# KiCad board miniFPGA_panel.kicad_pcb
title: Education board for miniFPGA; date: 2024-05-23; rev: v3.0
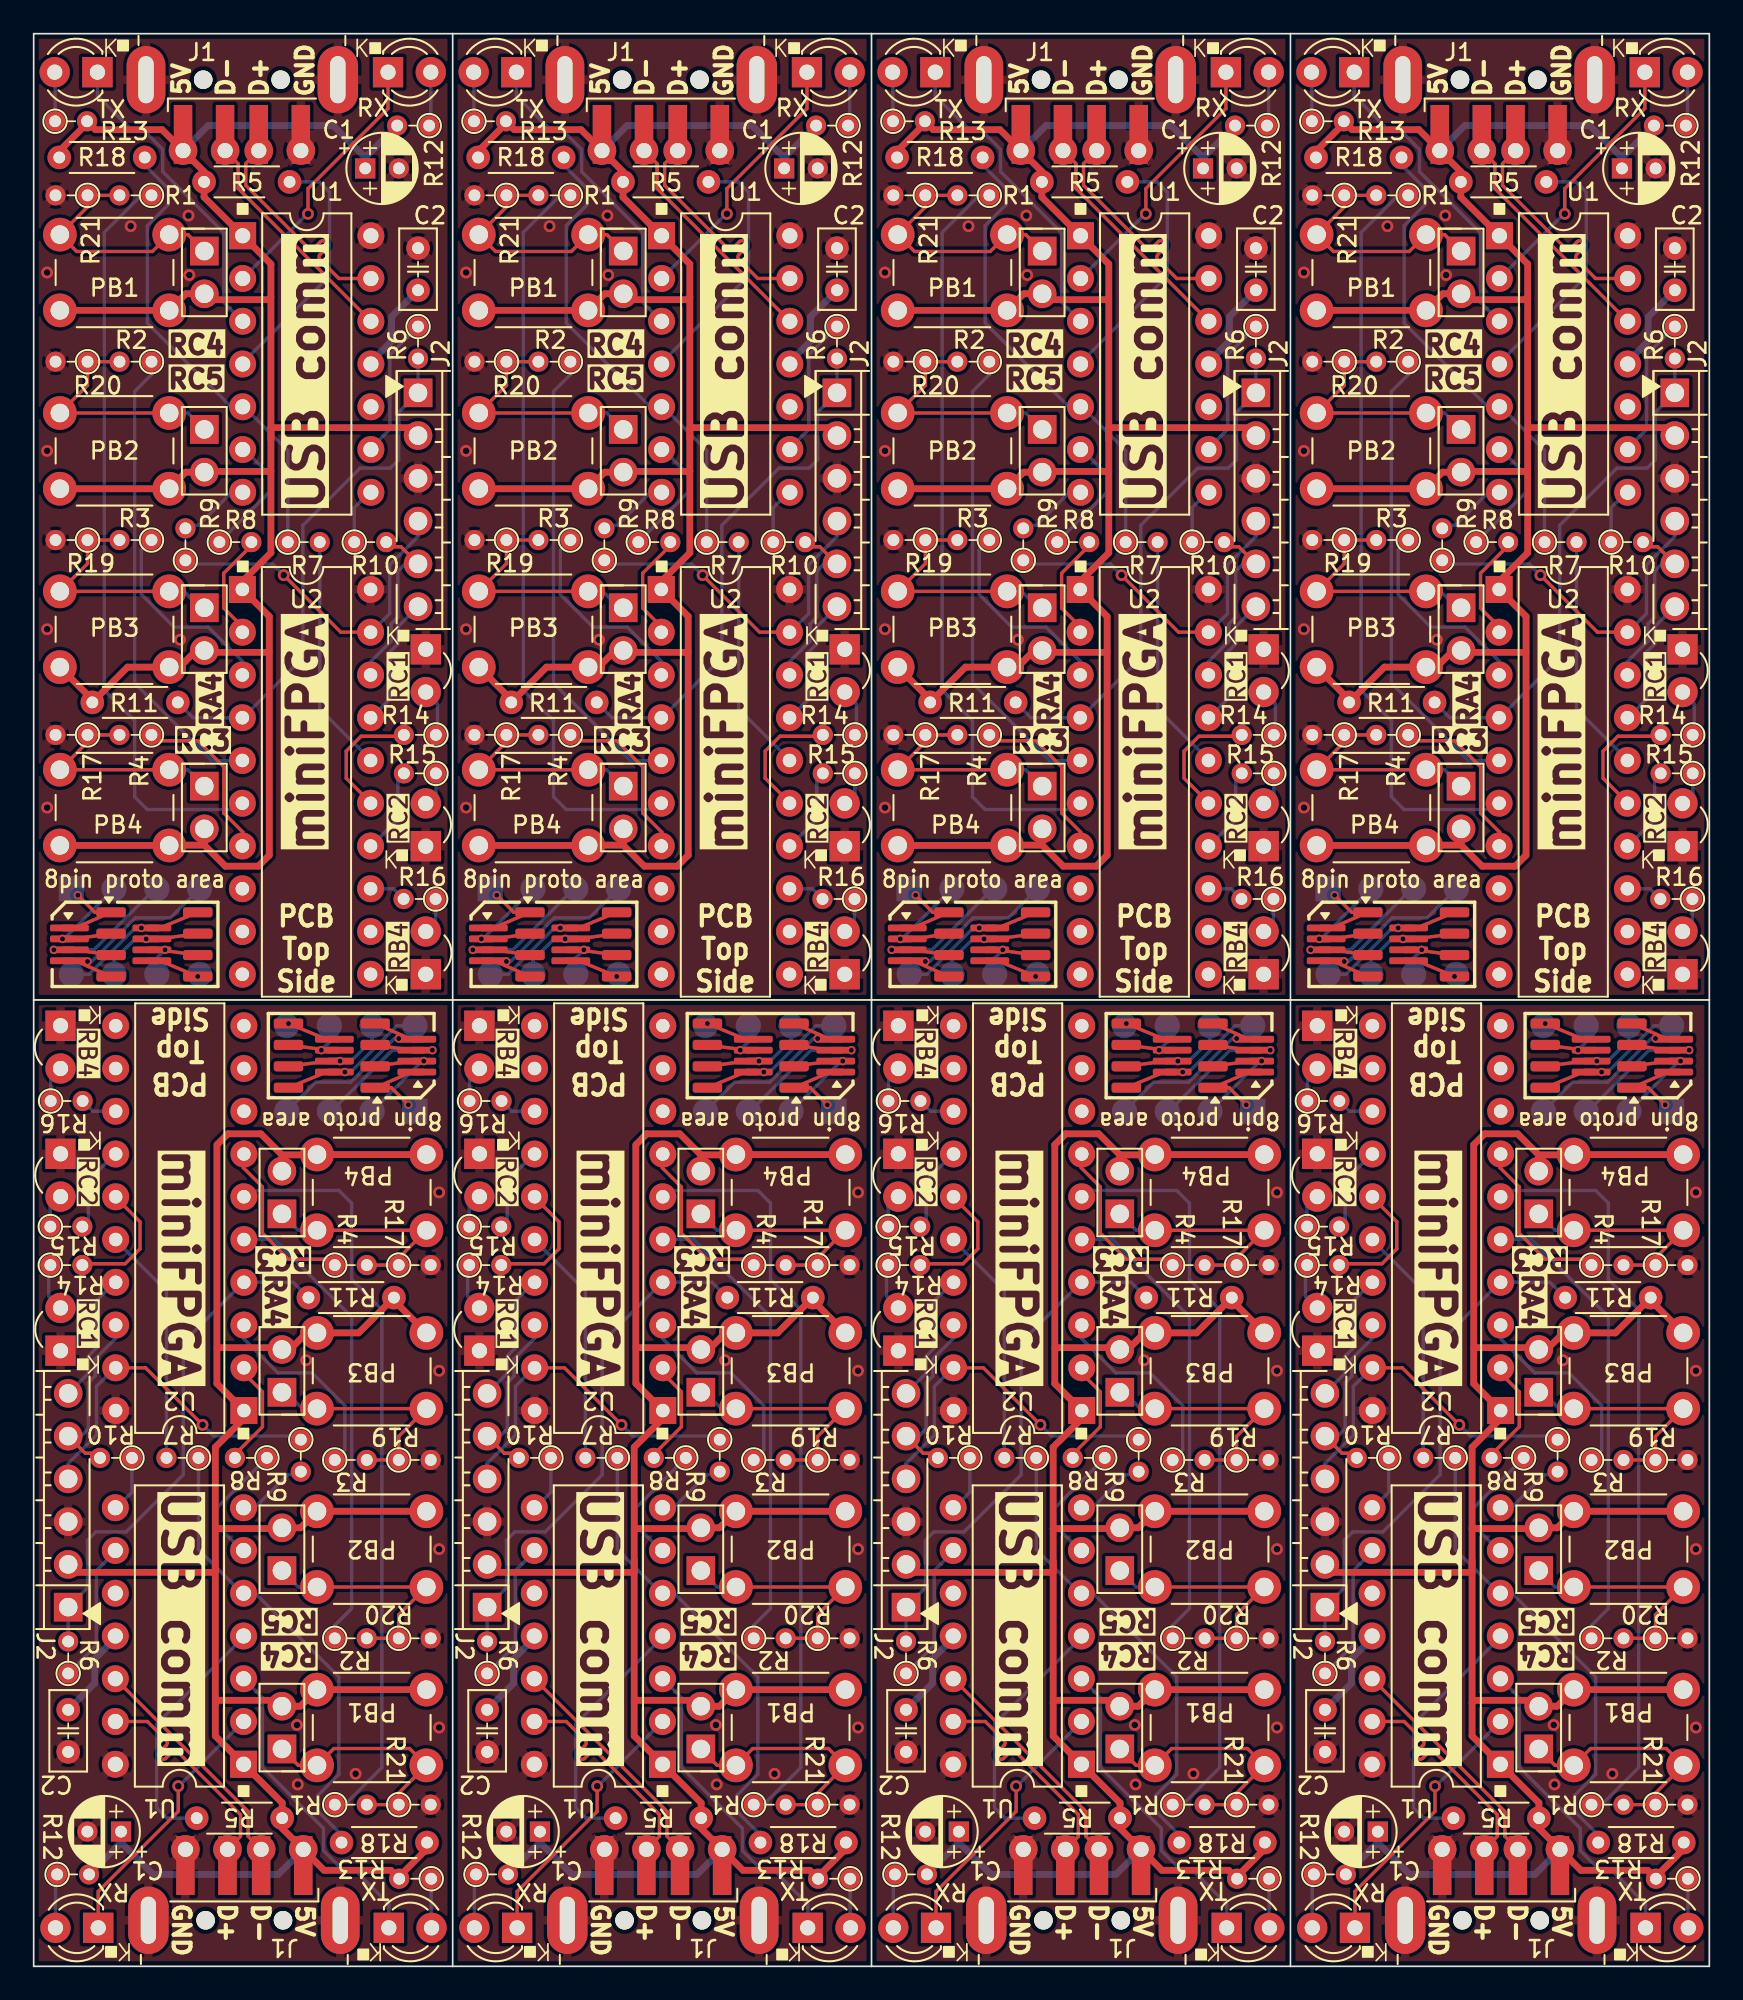
[diagram p0: board, top side]
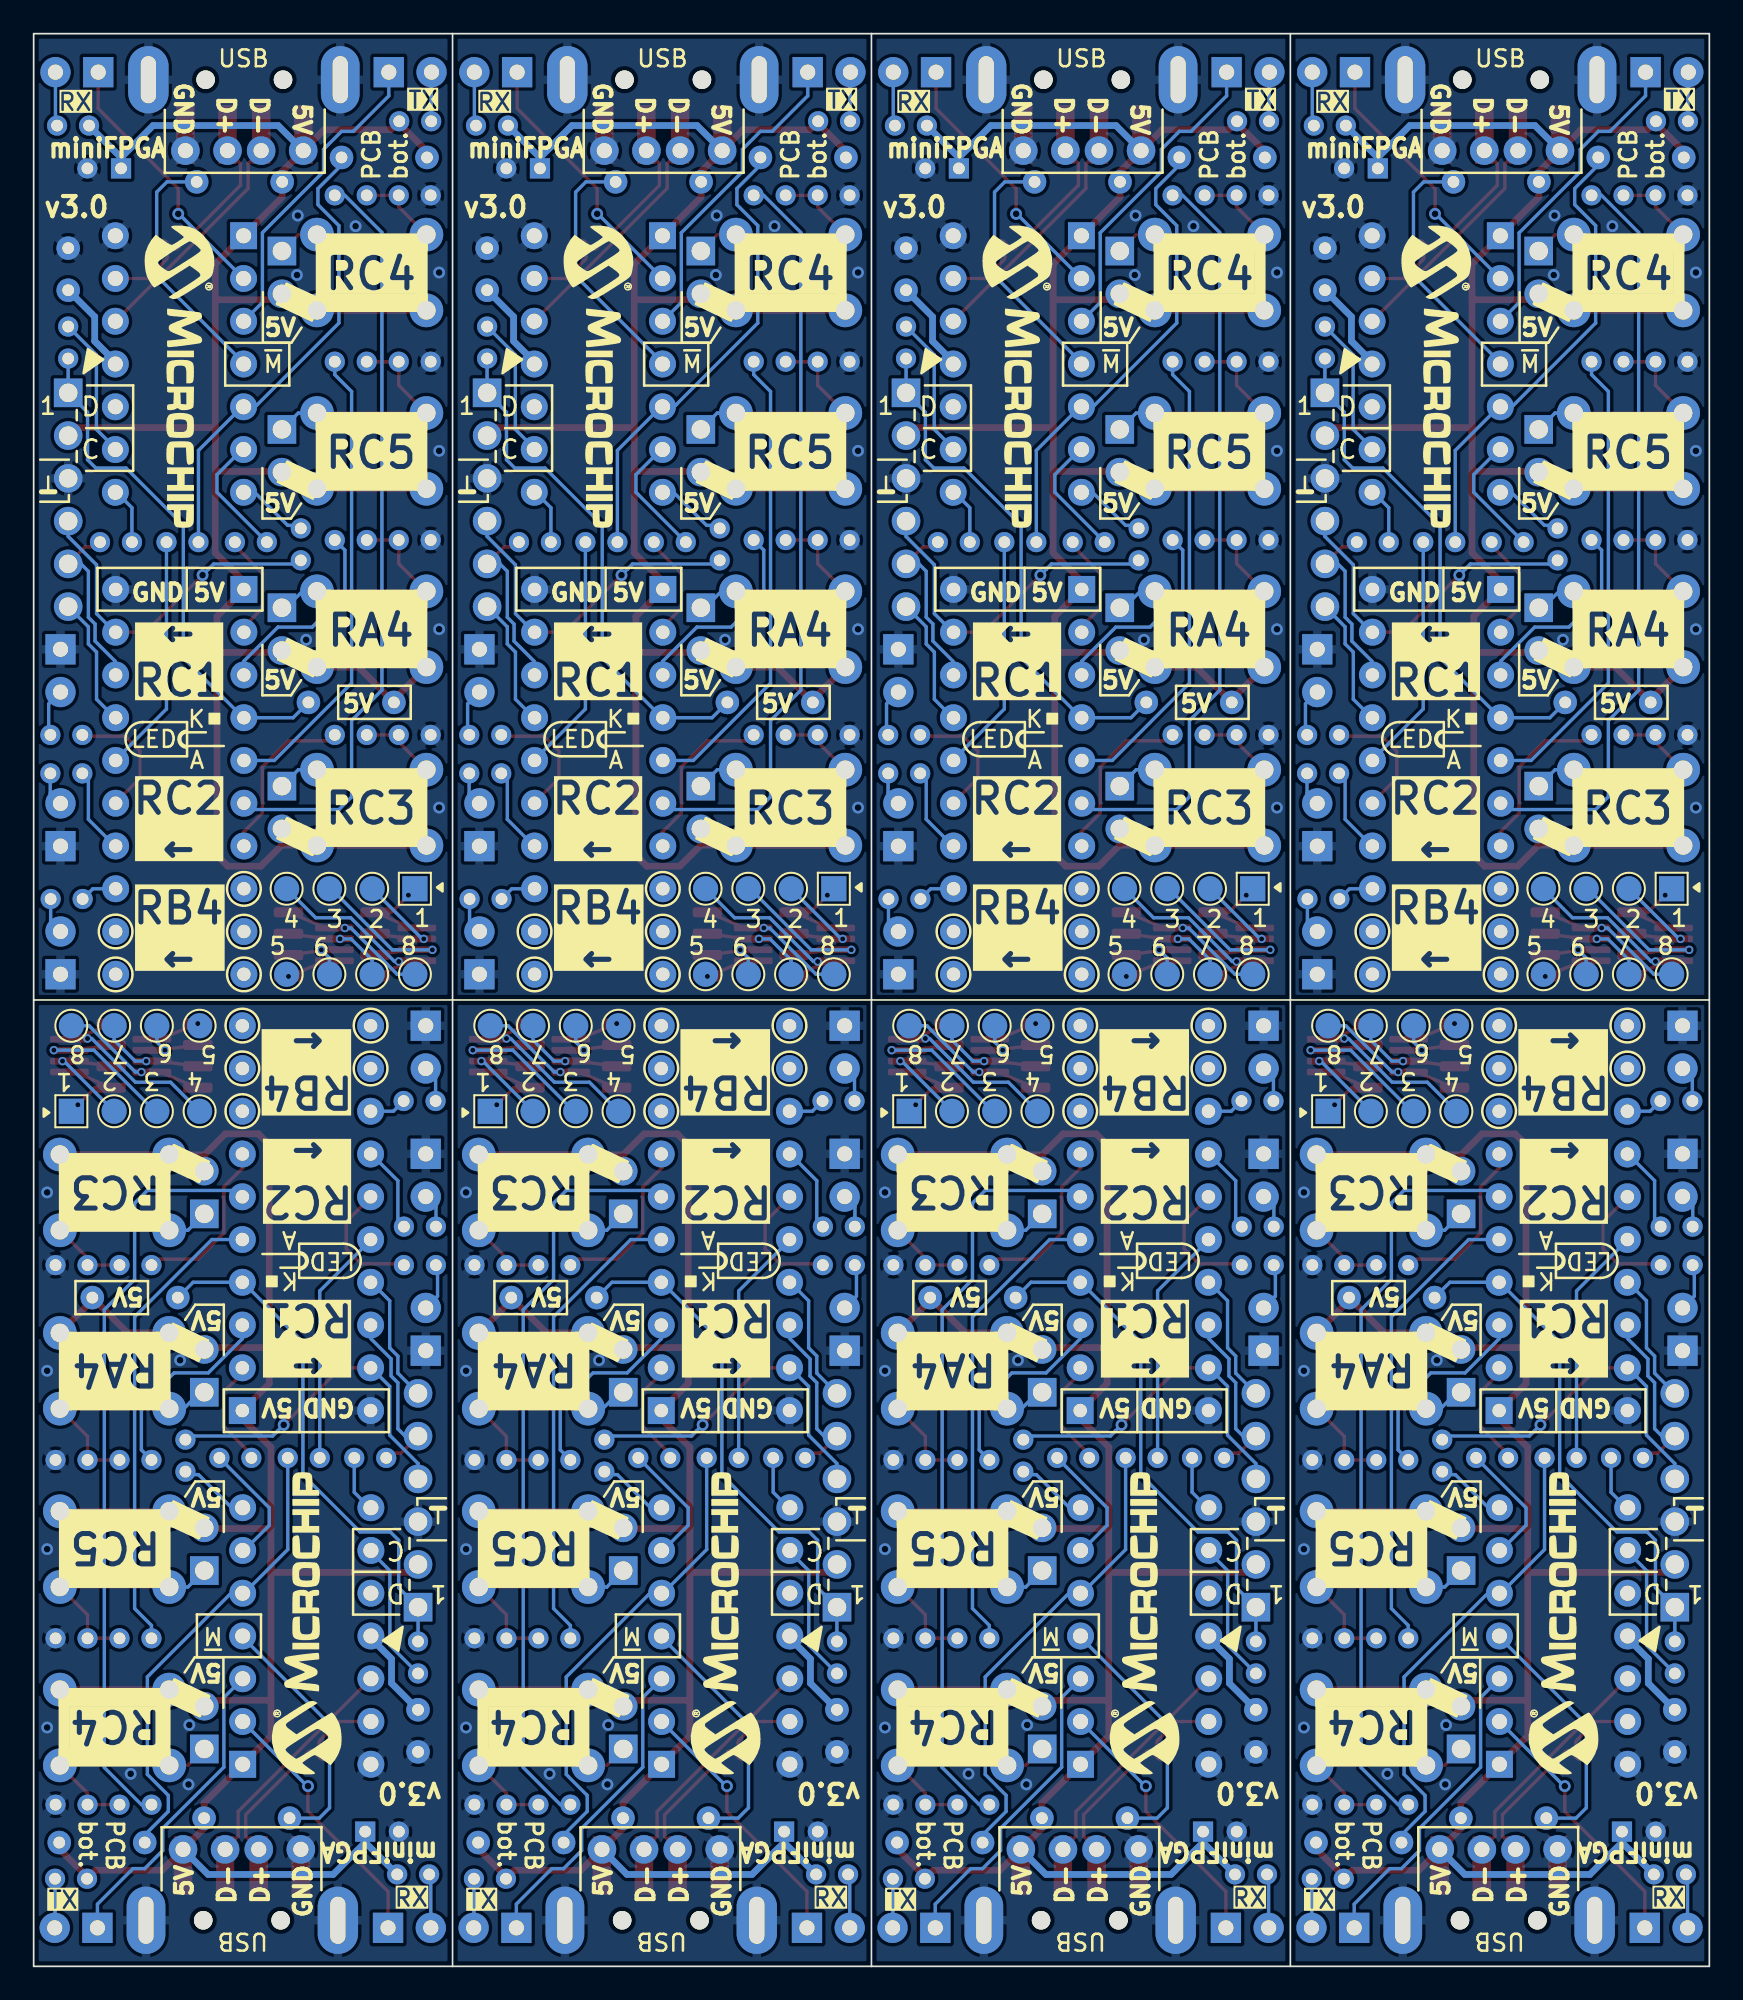
[diagram p1: board, bottom side, seen from below]

Outline 99.57 x 114.81 mm; copper layers: Top, Bottom. Coordinates in mm from the lower left corner of the outline.
Outline path: 0,57.41 99.57,57.41 ; 24.9,114.81 24.9,0 ; 74.68,0 0,0 0,114.81 74.68,114.81 ; 74.68,0 74.68,114.81 ; 74.68,0 99.57,0 99.57,114.81 74.68,114.81 ; 49.79,114.81 49.79,0
Stack: Top 0.035mm / dielectric 1.51mm FR4 er 4.5 / Bottom 0.035mm

## Placement (name value [footprint] x y rotation side)
A1  8pin proto area  [8pin_proto]  79.28 62.61 0 top
A1#2  8pin proto area  [8pin_proto]  4.6 62.61 0 top
A1#3  8pin proto area  [8pin_proto]  20.29 52.19 180 top
A1#4  8pin proto area  [8pin_proto]  94.97 52.19 180 top
A1#5  8pin proto area  [8pin_proto]  29.49 62.61 0 top
A1#6  8pin proto area  [8pin_proto]  45.18 52.19 180 top
A1#7  8pin proto area  [8pin_proto]  70.08 52.19 180 top
A1#8  8pin proto area  [8pin_proto]  54.38 62.61 0 top
C1  4µ7F  [CP_Radial_D4.0mm_P2.00mm]  30.08 8 180 top
C1#2  4µ7F  [CP_Radial_D4.0mm_P2.00mm]  44.59 106.8 0 top
C1#3  4µ7F  [CP_Radial_D4.0mm_P2.00mm]  5.19 8 180 top
C1#4  4µ7F  [CP_Radial_D4.0mm_P2.00mm]  79.87 8 180 top
C1#5  4µ7F  [CP_Radial_D4.0mm_P2.00mm]  69.48 106.8 0 top
C1#6  4µ7F  [CP_Radial_D4.0mm_P2.00mm]  94.38 106.8 0 top
C1#7  4µ7F  [CP_Radial_D4.0mm_P2.00mm]  54.98 8 180 top
C1#8  4µ7F  [CP_Radial_D4.0mm_P2.00mm]  19.7 106.8 0 top
C2  470nF  [C_Rect_L4.6mm_W2.0mm_P2.50mm_MKS02_FKP02]  47.73 99.57 90 top
C2#2  470nF  [C_Rect_L4.6mm_W2.0mm_P2.50mm_MKS02_FKP02]  2.05 15.24 270 top
C2#3  470nF  [C_Rect_L4.6mm_W2.0mm_P2.50mm_MKS02_FKP02]  97.52 99.57 90 top
C2#4  470nF  [C_Rect_L4.6mm_W2.0mm_P2.50mm_MKS02_FKP02]  72.62 99.57 90 top
C2#5  470nF  [C_Rect_L4.6mm_W2.0mm_P2.50mm_MKS02_FKP02]  26.94 15.24 270 top
C2#6  470nF  [C_Rect_L4.6mm_W2.0mm_P2.50mm_MKS02_FKP02]  76.73 15.24 270 top
C2#7  470nF  [C_Rect_L4.6mm_W2.0mm_P2.50mm_MKS02_FKP02]  22.84 99.57 90 top
C2#8  470nF  [C_Rect_L4.6mm_W2.0mm_P2.50mm_MKS02_FKP02]  51.84 15.24 270 top
J1  USB_B  [USB_A_CNCTech_1001-011-01101_Horizontal]  37.41 -0.16 270 top
J1#2  USB_B  [USB_A_CNCTech_1001-011-01101_Horizontal]  12.38 114.97 90 top
J1#3  USB_B  [USB_A_CNCTech_1001-011-01101_Horizontal]  62.3 -0.16 270 top
J1#4  USB_B  [USB_A_CNCTech_1001-011-01101_Horizontal]  62.16 114.97 90 top
J1#5  USB_B  [USB_A_CNCTech_1001-011-01101_Horizontal]  12.52 -0.16 270 top
J1#6  USB_B  [USB_A_CNCTech_1001-011-01101_Horizontal]  87.05 114.97 90 top
J1#7  USB_B  [USB_A_CNCTech_1001-011-01101_Horizontal]  87.19 -0.16 270 top
J1#8  USB_B  [USB_A_CNCTech_1001-011-01101_Horizontal]  37.27 114.97 90 top
J2  ICSP_DEBUG_miniFPGA  [PinHeader_1x06_P2.54mm_Horizontal]  76.73 21.34 180 top
J2#2  ICSP_DEBUG_miniFPGA  [PinHeader_1x06_P2.54mm_Horizontal]  72.62 93.47 0 top
J2#3  ICSP_DEBUG_miniFPGA  [PinHeader_1x06_P2.54mm_Horizontal]  51.84 21.34 180 top
J2#4  ICSP_DEBUG_miniFPGA  [PinHeader_1x06_P2.54mm_Horizontal]  26.94 21.34 180 top
J2#5  ICSP_DEBUG_miniFPGA  [PinHeader_1x06_P2.54mm_Horizontal]  47.73 93.47 0 top
J2#6  ICSP_DEBUG_miniFPGA  [PinHeader_1x06_P2.54mm_Horizontal]  22.84 93.47 0 top
J2#7  ICSP_DEBUG_miniFPGA  [PinHeader_1x06_P2.54mm_Horizontal]  97.52 93.47 0 top
J2#8  ICSP_DEBUG_miniFPGA  [PinHeader_1x06_P2.54mm_Horizontal]  2.05 21.34 180 top
JP1  RC4  [PinHeader_1x02_P2.54mm_Vertical]  64.54 12.91 180 top
JP1#2  RC4  [PinHeader_1x02_P2.54mm_Vertical]  14.75 12.91 180 top
JP1#3  RC4  [PinHeader_1x02_P2.54mm_Vertical]  89.43 12.91 180 top
JP1#4  RC4  [PinHeader_1x02_P2.54mm_Vertical]  59.92 101.9 0 top
JP1#5  RC4  [PinHeader_1x02_P2.54mm_Vertical]  84.82 101.9 0 top
JP1#6  RC4  [PinHeader_1x02_P2.54mm_Vertical]  39.64 12.91 180 top
JP1#7  RC4  [PinHeader_1x02_P2.54mm_Vertical]  35.03 101.9 0 top
JP1#8  RC4  [PinHeader_1x02_P2.54mm_Vertical]  10.14 101.9 0 top
JP2  RC5  [PinHeader_1x02_P2.54mm_Vertical]  89.43 23.51 180 top
JP2#2  RC5  [PinHeader_1x02_P2.54mm_Vertical]  84.82 91.3 0 top
JP2#3  RC5  [PinHeader_1x02_P2.54mm_Vertical]  35.03 91.3 0 top
JP2#4  RC5  [PinHeader_1x02_P2.54mm_Vertical]  59.92 91.3 0 top
JP2#5  RC5  [PinHeader_1x02_P2.54mm_Vertical]  39.64 23.51 180 top
JP2#6  RC5  [PinHeader_1x02_P2.54mm_Vertical]  10.14 91.3 0 top
JP2#7  RC5  [PinHeader_1x02_P2.54mm_Vertical]  64.54 23.51 180 top
JP2#8  RC5  [PinHeader_1x02_P2.54mm_Vertical]  14.75 23.51 180 top
JP3  RA4  [PinHeader_1x02_P2.54mm_Vertical]  39.64 34.1 180 top
JP3#2  RA4  [PinHeader_1x02_P2.54mm_Vertical]  59.92 80.7 0 top
JP3#3  RA4  [PinHeader_1x02_P2.54mm_Vertical]  89.43 34.1 180 top
JP3#4  RA4  [PinHeader_1x02_P2.54mm_Vertical]  84.82 80.7 0 top
JP3#5  RA4  [PinHeader_1x02_P2.54mm_Vertical]  14.75 34.1 180 top
JP3#6  RA4  [PinHeader_1x02_P2.54mm_Vertical]  64.54 34.1 180 top
JP3#7  RA4  [PinHeader_1x02_P2.54mm_Vertical]  10.14 80.7 0 top
JP3#8  RA4  [PinHeader_1x02_P2.54mm_Vertical]  35.03 80.7 0 top
JP4  RC3  [PinHeader_1x02_P2.54mm_Vertical]  10.14 70.11 0 top
JP4#2  RC3  [PinHeader_1x02_P2.54mm_Vertical]  64.54 44.7 180 top
JP4#3  RC3  [PinHeader_1x02_P2.54mm_Vertical]  39.64 44.7 180 top
JP4#4  RC3  [PinHeader_1x02_P2.54mm_Vertical]  35.03 70.11 0 top
JP4#5  RC3  [PinHeader_1x02_P2.54mm_Vertical]  89.43 44.7 180 top
JP4#6  RC3  [PinHeader_1x02_P2.54mm_Vertical]  14.75 44.7 180 top
JP4#7  RC3  [PinHeader_1x02_P2.54mm_Vertical]  84.82 70.11 0 top
JP4#8  RC3  [PinHeader_1x02_P2.54mm_Vertical]  59.92 70.11 0 top
LED1  RX  [LED_D3.0mm]  53.62 2.29 180 top
LED1#2  RX  [LED_D3.0mm]  78.51 2.29 180 top
LED1#3  RX  [LED_D3.0mm]  3.84 2.29 180 top
LED1#4  RX  [LED_D3.0mm]  95.73 112.52 0 top
LED1#5  RX  [LED_D3.0mm]  45.95 112.52 0 top
LED1#6  RX  [LED_D3.0mm]  21.06 112.52 0 top
LED1#7  RX  [LED_D3.0mm]  70.84 112.52 0 top
LED1#8  RX  [LED_D3.0mm]  28.73 2.29 180 top
LED2  TX  [LED_D3.0mm]  53.57 112.52 180 top
LED2#2  TX  [LED_D3.0mm]  21.1 2.29 0 top
LED2#3  TX  [LED_D3.0mm]  3.79 112.52 180 top
LED2#4  TX  [LED_D3.0mm]  78.47 112.52 180 top
LED2#5  TX  [LED_D3.0mm]  45.99 2.29 0 top
LED2#6  TX  [LED_D3.0mm]  70.89 2.29 0 top
LED2#7  TX  [LED_D3.0mm]  28.68 112.52 180 top
LED2#8  TX  [LED_D3.0mm]  95.78 2.29 0 top
LED3  RC1  [LED_D3.0mm]  26.49 36.57 90 top
LED3#2  RC1  [LED_D3.0mm]  73.08 78.24 270 top
LED3#3  RC1  [LED_D3.0mm]  76.27 36.57 90 top
LED3#4  RC1  [LED_D3.0mm]  51.38 36.57 90 top
LED3#5  RC1  [LED_D3.0mm]  97.97 78.24 270 top
LED3#6  RC1  [LED_D3.0mm]  23.3 78.24 270 top
LED3#7  RC1  [LED_D3.0mm]  48.19 78.24 270 top
LED3#8  RC1  [LED_D3.0mm]  1.59 36.57 90 top
LED4  RC2  [LED_D3.0mm]  1.59 48.27 270 top
LED4#2  RC2  [LED_D3.0mm]  51.38 48.27 270 top
LED4#3  RC2  [LED_D3.0mm]  97.97 66.54 90 top
LED4#4  RC2  [LED_D3.0mm]  48.19 66.54 90 top
LED4#5  RC2  [LED_D3.0mm]  76.27 48.27 270 top
LED4#6  RC2  [LED_D3.0mm]  26.49 48.27 270 top
LED4#7  RC2  [LED_D3.0mm]  23.3 66.54 90 top
LED4#8  RC2  [LED_D3.0mm]  73.08 66.54 90 top
LED5  RB4  [LED_D3.0mm]  23.3 58.93 90 top
LED5#2  RB4  [LED_D3.0mm]  26.49 55.88 270 top
LED5#3  RB4  [LED_D3.0mm]  76.27 55.88 270 top
LED5#4  RB4  [LED_D3.0mm]  51.38 55.88 270 top
LED5#5  RB4  [LED_D3.0mm]  97.97 58.93 90 top
LED5#6  RB4  [LED_D3.0mm]  73.08 58.93 90 top
LED5#7  RB4  [LED_D3.0mm]  1.59 55.88 270 top
LED5#8  RB4  [LED_D3.0mm]  48.19 58.93 90 top
PB1  RC4  [SW_PUSH_6mm_H5mm]  98.01 11.94 180 top
PB1#2  RC4  [SW_PUSH_6mm_H5mm]  48.23 11.94 180 top
PB1#3  RC4  [SW_PUSH_6mm_H5mm]  26.45 102.87 0 top
PB1#4  RC4  [SW_PUSH_6mm_H5mm]  51.34 102.87 0 top
PB1#5  RC4  [SW_PUSH_6mm_H5mm]  1.56 102.87 0 top
PB1#6  RC4  [SW_PUSH_6mm_H5mm]  73.12 11.94 180 top
PB1#7  RC4  [SW_PUSH_6mm_H5mm]  23.34 11.94 180 top
PB1#8  RC4  [SW_PUSH_6mm_H5mm]  76.23 102.87 0 top
PB2  RC5  [SW_PUSH_6mm_H5mm]  48.23 22.53 180 top
PB2#2  RC5  [SW_PUSH_6mm_H5mm]  26.45 92.27 0 top
PB2#3  RC5  [SW_PUSH_6mm_H5mm]  73.12 22.53 180 top
PB2#4  RC5  [SW_PUSH_6mm_H5mm]  98.01 22.53 180 top
PB2#5  RC5  [SW_PUSH_6mm_H5mm]  76.23 92.27 0 top
PB2#6  RC5  [SW_PUSH_6mm_H5mm]  1.56 92.27 0 top
PB2#7  RC5  [SW_PUSH_6mm_H5mm]  23.34 22.53 180 top
PB2#8  RC5  [SW_PUSH_6mm_H5mm]  51.34 92.27 0 top
PB3  RA4  [SW_PUSH_6mm_H5mm]  48.23 33.13 180 top
PB3#2  RA4  [SW_PUSH_6mm_H5mm]  23.34 33.13 180 top
PB3#3  RA4  [SW_PUSH_6mm_H5mm]  76.23 81.68 0 top
PB3#4  RA4  [SW_PUSH_6mm_H5mm]  98.01 33.13 180 top
PB3#5  RA4  [SW_PUSH_6mm_H5mm]  51.34 81.68 0 top
PB3#6  RA4  [SW_PUSH_6mm_H5mm]  73.12 33.13 180 top
PB3#7  RA4  [SW_PUSH_6mm_H5mm]  26.45 81.68 0 top
PB3#8  RA4  [SW_PUSH_6mm_H5mm]  1.56 81.68 0 top
PB4  RC3  [SW_PUSH_6mm_H5mm]  73.12 43.72 180 top
PB4#2  RC3  [SW_PUSH_6mm_H5mm]  76.23 71.08 0 top
PB4#3  RC3  [SW_PUSH_6mm_H5mm]  51.34 71.08 0 top
PB4#4  RC3  [SW_PUSH_6mm_H5mm]  23.34 43.72 180 top
PB4#5  RC3  [SW_PUSH_6mm_H5mm]  1.56 71.08 0 top
PB4#6  RC3  [SW_PUSH_6mm_H5mm]  98.01 43.72 180 top
PB4#7  RC3  [SW_PUSH_6mm_H5mm]  48.23 43.72 180 top
PB4#8  RC3  [SW_PUSH_6mm_H5mm]  26.45 71.08 0 top
R1  680Ω  [R_Axial_L3.6mm_D1.6mm_P1.90mm_Vertical]  17.89 9.6 0 top
R1#2  680Ω  [R_Axial_L3.6mm_D1.6mm_P1.90mm_Vertical]  42.78 9.6 0 top
R1#3  680Ω  [R_Axial_L3.6mm_D1.6mm_P1.90mm_Vertical]  67.68 9.6 0 top
R1#4  680Ω  [R_Axial_L3.6mm_D1.6mm_P1.90mm_Vertical]  92.57 9.6 0 top
R1#5  680Ω  [R_Axial_L3.6mm_D1.6mm_P1.90mm_Vertical]  31.89 105.2 180 top
R1#6  680Ω  [R_Axial_L3.6mm_D1.6mm_P1.90mm_Vertical]  81.68 105.2 180 top
R1#7  680Ω  [R_Axial_L3.6mm_D1.6mm_P1.90mm_Vertical]  56.78 105.2 180 top
R1#8  680Ω  [R_Axial_L3.6mm_D1.6mm_P1.90mm_Vertical]  7 105.2 180 top
R2  680Ω  [R_Axial_L3.6mm_D1.6mm_P1.90mm_Vertical]  31.89 95.32 180 top
R2#2  680Ω  [R_Axial_L3.6mm_D1.6mm_P1.90mm_Vertical]  42.78 19.49 0 top
R2#3  680Ω  [R_Axial_L3.6mm_D1.6mm_P1.90mm_Vertical]  81.68 95.32 180 top
R2#4  680Ω  [R_Axial_L3.6mm_D1.6mm_P1.90mm_Vertical]  92.57 19.49 0 top
R2#5  680Ω  [R_Axial_L3.6mm_D1.6mm_P1.90mm_Vertical]  7 95.32 180 top
R2#6  680Ω  [R_Axial_L3.6mm_D1.6mm_P1.90mm_Vertical]  56.78 95.32 180 top
R2#7  680Ω  [R_Axial_L3.6mm_D1.6mm_P1.90mm_Vertical]  17.89 19.49 0 top
R2#8  680Ω  [R_Axial_L3.6mm_D1.6mm_P1.90mm_Vertical]  67.68 19.49 0 top
R3  680Ω  [R_Axial_L3.6mm_D1.6mm_P1.90mm_Vertical]  81.68 84.73 180 top
R3#2  680Ω  [R_Axial_L3.6mm_D1.6mm_P1.90mm_Vertical]  17.89 30.08 0 top
R3#3  680Ω  [R_Axial_L3.6mm_D1.6mm_P1.90mm_Vertical]  92.57 30.08 0 top
R3#4  680Ω  [R_Axial_L3.6mm_D1.6mm_P1.90mm_Vertical]  42.78 30.08 0 top
R3#5  680Ω  [R_Axial_L3.6mm_D1.6mm_P1.90mm_Vertical]  31.89 84.73 180 top
R3#6  680Ω  [R_Axial_L3.6mm_D1.6mm_P1.90mm_Vertical]  67.68 30.08 0 top
R3#7  680Ω  [R_Axial_L3.6mm_D1.6mm_P1.90mm_Vertical]  56.78 84.73 180 top
R3#8  680Ω  [R_Axial_L3.6mm_D1.6mm_P1.90mm_Vertical]  7 84.73 180 top
R4  680Ω  [R_Axial_L3.6mm_D1.6mm_P1.90mm_Vertical]  31.89 73.15 180 top
R4#2  680Ω  [R_Axial_L3.6mm_D1.6mm_P1.90mm_Vertical]  17.89 41.66 0 top
R4#3  680Ω  [R_Axial_L3.6mm_D1.6mm_P1.90mm_Vertical]  81.68 73.15 180 top
R4#4  680Ω  [R_Axial_L3.6mm_D1.6mm_P1.90mm_Vertical]  67.68 41.66 0 top
R4#5  680Ω  [R_Axial_L3.6mm_D1.6mm_P1.90mm_Vertical]  92.57 41.66 0 top
R4#6  680Ω  [R_Axial_L3.6mm_D1.6mm_P1.90mm_Vertical]  42.78 41.66 0 top
R4#7  680Ω  [R_Axial_L3.6mm_D1.6mm_P1.90mm_Vertical]  56.78 73.15 180 top
R4#8  680Ω  [R_Axial_L3.6mm_D1.6mm_P1.90mm_Vertical]  7 73.15 180 top
R5  10kΩ  [R_Axial_DIN0204_L3.6mm_D1.6mm_P5.08mm_Horizontal]  15.21 106 180 top
R5#2  10kΩ  [R_Axial_DIN0204_L3.6mm_D1.6mm_P5.08mm_Horizontal]  34.58 8.8 0 top
R5#3  10kΩ  [R_Axial_DIN0204_L3.6mm_D1.6mm_P5.08mm_Horizontal]  40.1 106 180 top
R5#4  10kΩ  [R_Axial_DIN0204_L3.6mm_D1.6mm_P5.08mm_Horizontal]  89.88 106 180 top
R5#5  10kΩ  [R_Axial_DIN0204_L3.6mm_D1.6mm_P5.08mm_Horizontal]  59.47 8.8 0 top
R5#6  10kΩ  [R_Axial_DIN0204_L3.6mm_D1.6mm_P5.08mm_Horizontal]  64.99 106 180 top
R5#7  10kΩ  [R_Axial_DIN0204_L3.6mm_D1.6mm_P5.08mm_Horizontal]  84.36 8.8 0 top
R5#8  10kΩ  [R_Axial_DIN0204_L3.6mm_D1.6mm_P5.08mm_Horizontal]  9.69 8.8 0 top
R6  680Ω  [R_Axial_L3.6mm_D1.6mm_P1.90mm_Vertical]  72.62 97.41 270 top
R6#2  680Ω  [R_Axial_L3.6mm_D1.6mm_P1.90mm_Vertical]  51.84 17.4 90 top
R6#3  680Ω  [R_Axial_L3.6mm_D1.6mm_P1.90mm_Vertical]  47.73 97.41 270 top
R6#4  680Ω  [R_Axial_L3.6mm_D1.6mm_P1.90mm_Vertical]  97.52 97.41 270 top
R6#5  680Ω  [R_Axial_L3.6mm_D1.6mm_P1.90mm_Vertical]  22.84 97.41 270 top
R6#6  680Ω  [R_Axial_L3.6mm_D1.6mm_P1.90mm_Vertical]  76.73 17.4 90 top
R6#7  680Ω  [R_Axial_L3.6mm_D1.6mm_P1.90mm_Vertical]  26.94 17.4 90 top
R6#8  680Ω  [R_Axial_L3.6mm_D1.6mm_P1.90mm_Vertical]  2.05 17.4 90 top
R7  680Ω  [R_Axial_L3.6mm_D1.6mm_P1.90mm_Vertical]  89.78 84.6 0 top
R7#2  680Ω  [R_Axial_L3.6mm_D1.6mm_P1.90mm_Vertical]  59.58 30.2 180 top
R7#3  680Ω  [R_Axial_L3.6mm_D1.6mm_P1.90mm_Vertical]  84.47 30.2 180 top
R7#4  680Ω  [R_Axial_L3.6mm_D1.6mm_P1.90mm_Vertical]  34.68 30.2 180 top
R7#5  680Ω  [R_Axial_L3.6mm_D1.6mm_P1.90mm_Vertical]  39.99 84.6 0 top
R7#6  680Ω  [R_Axial_L3.6mm_D1.6mm_P1.90mm_Vertical]  15.1 84.6 0 top
R7#7  680Ω  [R_Axial_L3.6mm_D1.6mm_P1.90mm_Vertical]  9.79 30.2 180 top
R7#8  680Ω  [R_Axial_L3.6mm_D1.6mm_P1.90mm_Vertical]  64.88 84.6 0 top
R8  680Ω  [R_Axial_L3.6mm_D1.6mm_P1.90mm_Vertical]  35.93 84.6 0 top
R8#2  680Ω  [R_Axial_L3.6mm_D1.6mm_P1.90mm_Vertical]  85.71 84.6 0 top
R8#3  680Ω  [R_Axial_L3.6mm_D1.6mm_P1.90mm_Vertical]  38.75 30.2 180 top
R8#4  680Ω  [R_Axial_L3.6mm_D1.6mm_P1.90mm_Vertical]  63.64 30.2 180 top
R8#5  680Ω  [R_Axial_L3.6mm_D1.6mm_P1.90mm_Vertical]  88.53 30.2 180 top
R8#6  680Ω  [R_Axial_L3.6mm_D1.6mm_P1.90mm_Vertical]  60.82 84.6 0 top
R8#7  680Ω  [R_Axial_L3.6mm_D1.6mm_P1.90mm_Vertical]  11.04 84.6 0 top
R8#8  680Ω  [R_Axial_L3.6mm_D1.6mm_P1.90mm_Vertical]  13.86 30.2 180 top
R9  680Ω  [R_Axial_L3.6mm_D1.6mm_P1.90mm_Vertical]  83.69 83.52 90 top
R9#2  680Ω  [R_Axial_L3.6mm_D1.6mm_P1.90mm_Vertical]  65.66 31.29 270 top
R9#3  680Ω  [R_Axial_L3.6mm_D1.6mm_P1.90mm_Vertical]  58.8 83.52 90 top
R9#4  680Ω  [R_Axial_L3.6mm_D1.6mm_P1.90mm_Vertical]  90.55 31.29 270 top
R9#5  680Ω  [R_Axial_L3.6mm_D1.6mm_P1.90mm_Vertical]  33.91 83.52 90 top
R9#6  680Ω  [R_Axial_L3.6mm_D1.6mm_P1.90mm_Vertical]  9.02 83.52 90 top
R9#7  680Ω  [R_Axial_L3.6mm_D1.6mm_P1.90mm_Vertical]  40.77 31.29 270 top
R9#8  680Ω  [R_Axial_L3.6mm_D1.6mm_P1.90mm_Vertical]  15.87 31.29 270 top
R10  680Ω  [R_Axial_L3.6mm_D1.6mm_P1.90mm_Vertical]  19.05 84.6 0 top
R10#2  680Ω  [R_Axial_L3.6mm_D1.6mm_P1.90mm_Vertical]  68.83 84.6 0 top
R10#3  680Ω  [R_Axial_L3.6mm_D1.6mm_P1.90mm_Vertical]  80.52 30.2 180 top
R10#4  680Ω  [R_Axial_L3.6mm_D1.6mm_P1.90mm_Vertical]  5.84 30.2 180 top
R10#5  680Ω  [R_Axial_L3.6mm_D1.6mm_P1.90mm_Vertical]  55.63 30.2 180 top
R10#6  680Ω  [R_Axial_L3.6mm_D1.6mm_P1.90mm_Vertical]  30.73 30.2 180 top
R10#7  680Ω  [R_Axial_L3.6mm_D1.6mm_P1.90mm_Vertical]  93.73 84.6 0 top
R10#8  680Ω  [R_Axial_L3.6mm_D1.6mm_P1.90mm_Vertical]  43.94 84.6 0 top
R11  10kΩ  [R_Axial_DIN0204_L3.6mm_D1.6mm_P5.08mm_Horizontal]  46.3 39.73 180 top
R11#2  10kΩ  [R_Axial_DIN0204_L3.6mm_D1.6mm_P5.08mm_Horizontal]  96.08 39.73 180 top
R11#3  10kΩ  [R_Axial_DIN0204_L3.6mm_D1.6mm_P5.08mm_Horizontal]  53.27 75.08 0 top
R11#4  10kΩ  [R_Axial_DIN0204_L3.6mm_D1.6mm_P5.08mm_Horizontal]  21.41 39.73 180 top
R11#5  10kΩ  [R_Axial_DIN0204_L3.6mm_D1.6mm_P5.08mm_Horizontal]  3.49 75.08 0 top
R11#6  10kΩ  [R_Axial_DIN0204_L3.6mm_D1.6mm_P5.08mm_Horizontal]  28.38 75.08 0 top
R11#7  10kΩ  [R_Axial_DIN0204_L3.6mm_D1.6mm_P5.08mm_Horizontal]  71.19 39.73 180 top
R11#8  10kΩ  [R_Axial_DIN0204_L3.6mm_D1.6mm_P5.08mm_Horizontal]  78.16 75.08 0 top
R12  680Ω  [R_Axial_L3.6mm_D1.6mm_P1.90mm_Vertical]  98.18 109.35 180 top
R12#2  680Ω  [R_Axial_L3.6mm_D1.6mm_P1.90mm_Vertical]  76.07 5.46 0 top
R12#3  680Ω  [R_Axial_L3.6mm_D1.6mm_P1.90mm_Vertical]  73.28 109.35 180 top
R12#4  680Ω  [R_Axial_L3.6mm_D1.6mm_P1.90mm_Vertical]  1.39 5.46 0 top
R12#5  680Ω  [R_Axial_L3.6mm_D1.6mm_P1.90mm_Vertical]  26.28 5.46 0 top
R12#6  680Ω  [R_Axial_L3.6mm_D1.6mm_P1.90mm_Vertical]  51.18 5.46 0 top
R12#7  680Ω  [R_Axial_L3.6mm_D1.6mm_P1.90mm_Vertical]  23.5 109.35 180 top
R12#8  680Ω  [R_Axial_L3.6mm_D1.6mm_P1.90mm_Vertical]  48.39 109.35 180 top
R13  680Ω  [R_Axial_L3.6mm_D1.6mm_P1.90mm_Vertical]  48.51 5.2 180 top
R13#2  680Ω  [R_Axial_L3.6mm_D1.6mm_P1.90mm_Vertical]  75.95 109.6 0 top
R13#3  680Ω  [R_Axial_L3.6mm_D1.6mm_P1.90mm_Vertical]  51.05 109.6 0 top
R13#4  680Ω  [R_Axial_L3.6mm_D1.6mm_P1.90mm_Vertical]  98.3 5.2 180 top
R13#5  680Ω  [R_Axial_L3.6mm_D1.6mm_P1.90mm_Vertical]  23.62 5.2 180 top
R13#6  680Ω  [R_Axial_L3.6mm_D1.6mm_P1.90mm_Vertical]  26.16 109.6 0 top
R13#7  680Ω  [R_Axial_L3.6mm_D1.6mm_P1.90mm_Vertical]  1.27 109.6 0 top
R13#8  680Ω  [R_Axial_L3.6mm_D1.6mm_P1.90mm_Vertical]  73.41 5.2 180 top
R14  680Ω  [R_Axial_L3.6mm_D1.6mm_P1.90mm_Vertical]  23.9 73.15 180 top
R14#2  680Ω  [R_Axial_L3.6mm_D1.6mm_P1.90mm_Vertical]  73.68 73.15 180 top
R14#3  680Ω  [R_Axial_L3.6mm_D1.6mm_P1.90mm_Vertical]  98.58 73.15 180 top
R14#4  680Ω  [R_Axial_L3.6mm_D1.6mm_P1.90mm_Vertical]  75.67 41.66 0 top
R14#5  680Ω  [R_Axial_L3.6mm_D1.6mm_P1.90mm_Vertical]  48.79 73.15 180 top
R14#6  680Ω  [R_Axial_L3.6mm_D1.6mm_P1.90mm_Vertical]  25.88 41.66 0 top
R14#7  680Ω  [R_Axial_L3.6mm_D1.6mm_P1.90mm_Vertical]  50.78 41.66 0 top
R14#8  680Ω  [R_Axial_L3.6mm_D1.6mm_P1.90mm_Vertical]  0.99 41.66 0 top
R15  680Ω  [R_Axial_L3.6mm_D1.6mm_P1.90mm_Vertical]  98.58 70.87 180 top
R15#2  680Ω  [R_Axial_L3.6mm_D1.6mm_P1.90mm_Vertical]  50.78 43.94 0 top
R15#3  680Ω  [R_Axial_L3.6mm_D1.6mm_P1.90mm_Vertical]  23.9 70.87 180 top
R15#4  680Ω  [R_Axial_L3.6mm_D1.6mm_P1.90mm_Vertical]  0.99 43.94 0 top
R15#5  680Ω  [R_Axial_L3.6mm_D1.6mm_P1.90mm_Vertical]  73.68 70.87 180 top
R15#6  680Ω  [R_Axial_L3.6mm_D1.6mm_P1.90mm_Vertical]  75.67 43.94 0 top
R15#7  680Ω  [R_Axial_L3.6mm_D1.6mm_P1.90mm_Vertical]  48.79 70.87 180 top
R15#8  680Ω  [R_Axial_L3.6mm_D1.6mm_P1.90mm_Vertical]  25.88 43.94 0 top
R16  680Ω  [R_Axial_L3.6mm_D1.6mm_P1.90mm_Vertical]  75.69 51.4 0 top
R16#2  680Ω  [R_Axial_L3.6mm_D1.6mm_P1.90mm_Vertical]  73.67 63.4 180 top
R16#3  680Ω  [R_Axial_L3.6mm_D1.6mm_P1.90mm_Vertical]  1.01 51.4 0 top
R16#4  680Ω  [R_Axial_L3.6mm_D1.6mm_P1.90mm_Vertical]  48.77 63.4 180 top
R16#5  680Ω  [R_Axial_L3.6mm_D1.6mm_P1.90mm_Vertical]  50.79 51.4 0 top
R16#6  680Ω  [R_Axial_L3.6mm_D1.6mm_P1.90mm_Vertical]  23.88 63.4 180 top
R16#7  680Ω  [R_Axial_L3.6mm_D1.6mm_P1.90mm_Vertical]  98.56 63.4 180 top
R16#8  680Ω  [R_Axial_L3.6mm_D1.6mm_P1.90mm_Vertical]  25.9 51.4 0 top
R17  680Ω  [R_Axial_L3.6mm_D1.6mm_P1.90mm_Vertical]  46.58 41.66 0 top
R17#2  680Ω  [R_Axial_L3.6mm_D1.6mm_P1.90mm_Vertical]  96.37 41.66 0 top
R17#3  680Ω  [R_Axial_L3.6mm_D1.6mm_P1.90mm_Vertical]  71.48 41.66 0 top
R17#4  680Ω  [R_Axial_L3.6mm_D1.6mm_P1.90mm_Vertical]  77.88 73.15 180 top
R17#5  680Ω  [R_Axial_L3.6mm_D1.6mm_P1.90mm_Vertical]  3.2 73.15 180 top
R17#6  680Ω  [R_Axial_L3.6mm_D1.6mm_P1.90mm_Vertical]  52.98 73.15 180 top
R17#7  680Ω  [R_Axial_L3.6mm_D1.6mm_P1.90mm_Vertical]  28.09 73.15 180 top
R17#8  680Ω  [R_Axial_L3.6mm_D1.6mm_P1.90mm_Vertical]  21.69 41.66 0 top
R18  10kΩ  [R_Axial_DIN0204_L3.6mm_D1.6mm_P5.08mm_Horizontal]  73.16 7.35 180 top
R18#2  10kΩ  [R_Axial_DIN0204_L3.6mm_D1.6mm_P5.08mm_Horizontal]  48.26 7.35 180 top
R18#3  10kΩ  [R_Axial_DIN0204_L3.6mm_D1.6mm_P5.08mm_Horizontal]  1.52 107.45 0 top